# Altium PCB NGIStepDownPCB.PcbDoc (part 1 of 2)
Units mm, origin at the board's own origin, x right, y up, seen from the top; angles counter-clockwise.
Board outline 160 x 100 mm, 2 copper layers (Top Layer, Bottom Layer); 156 components, 77 nets, 437 pads, 449 vias.
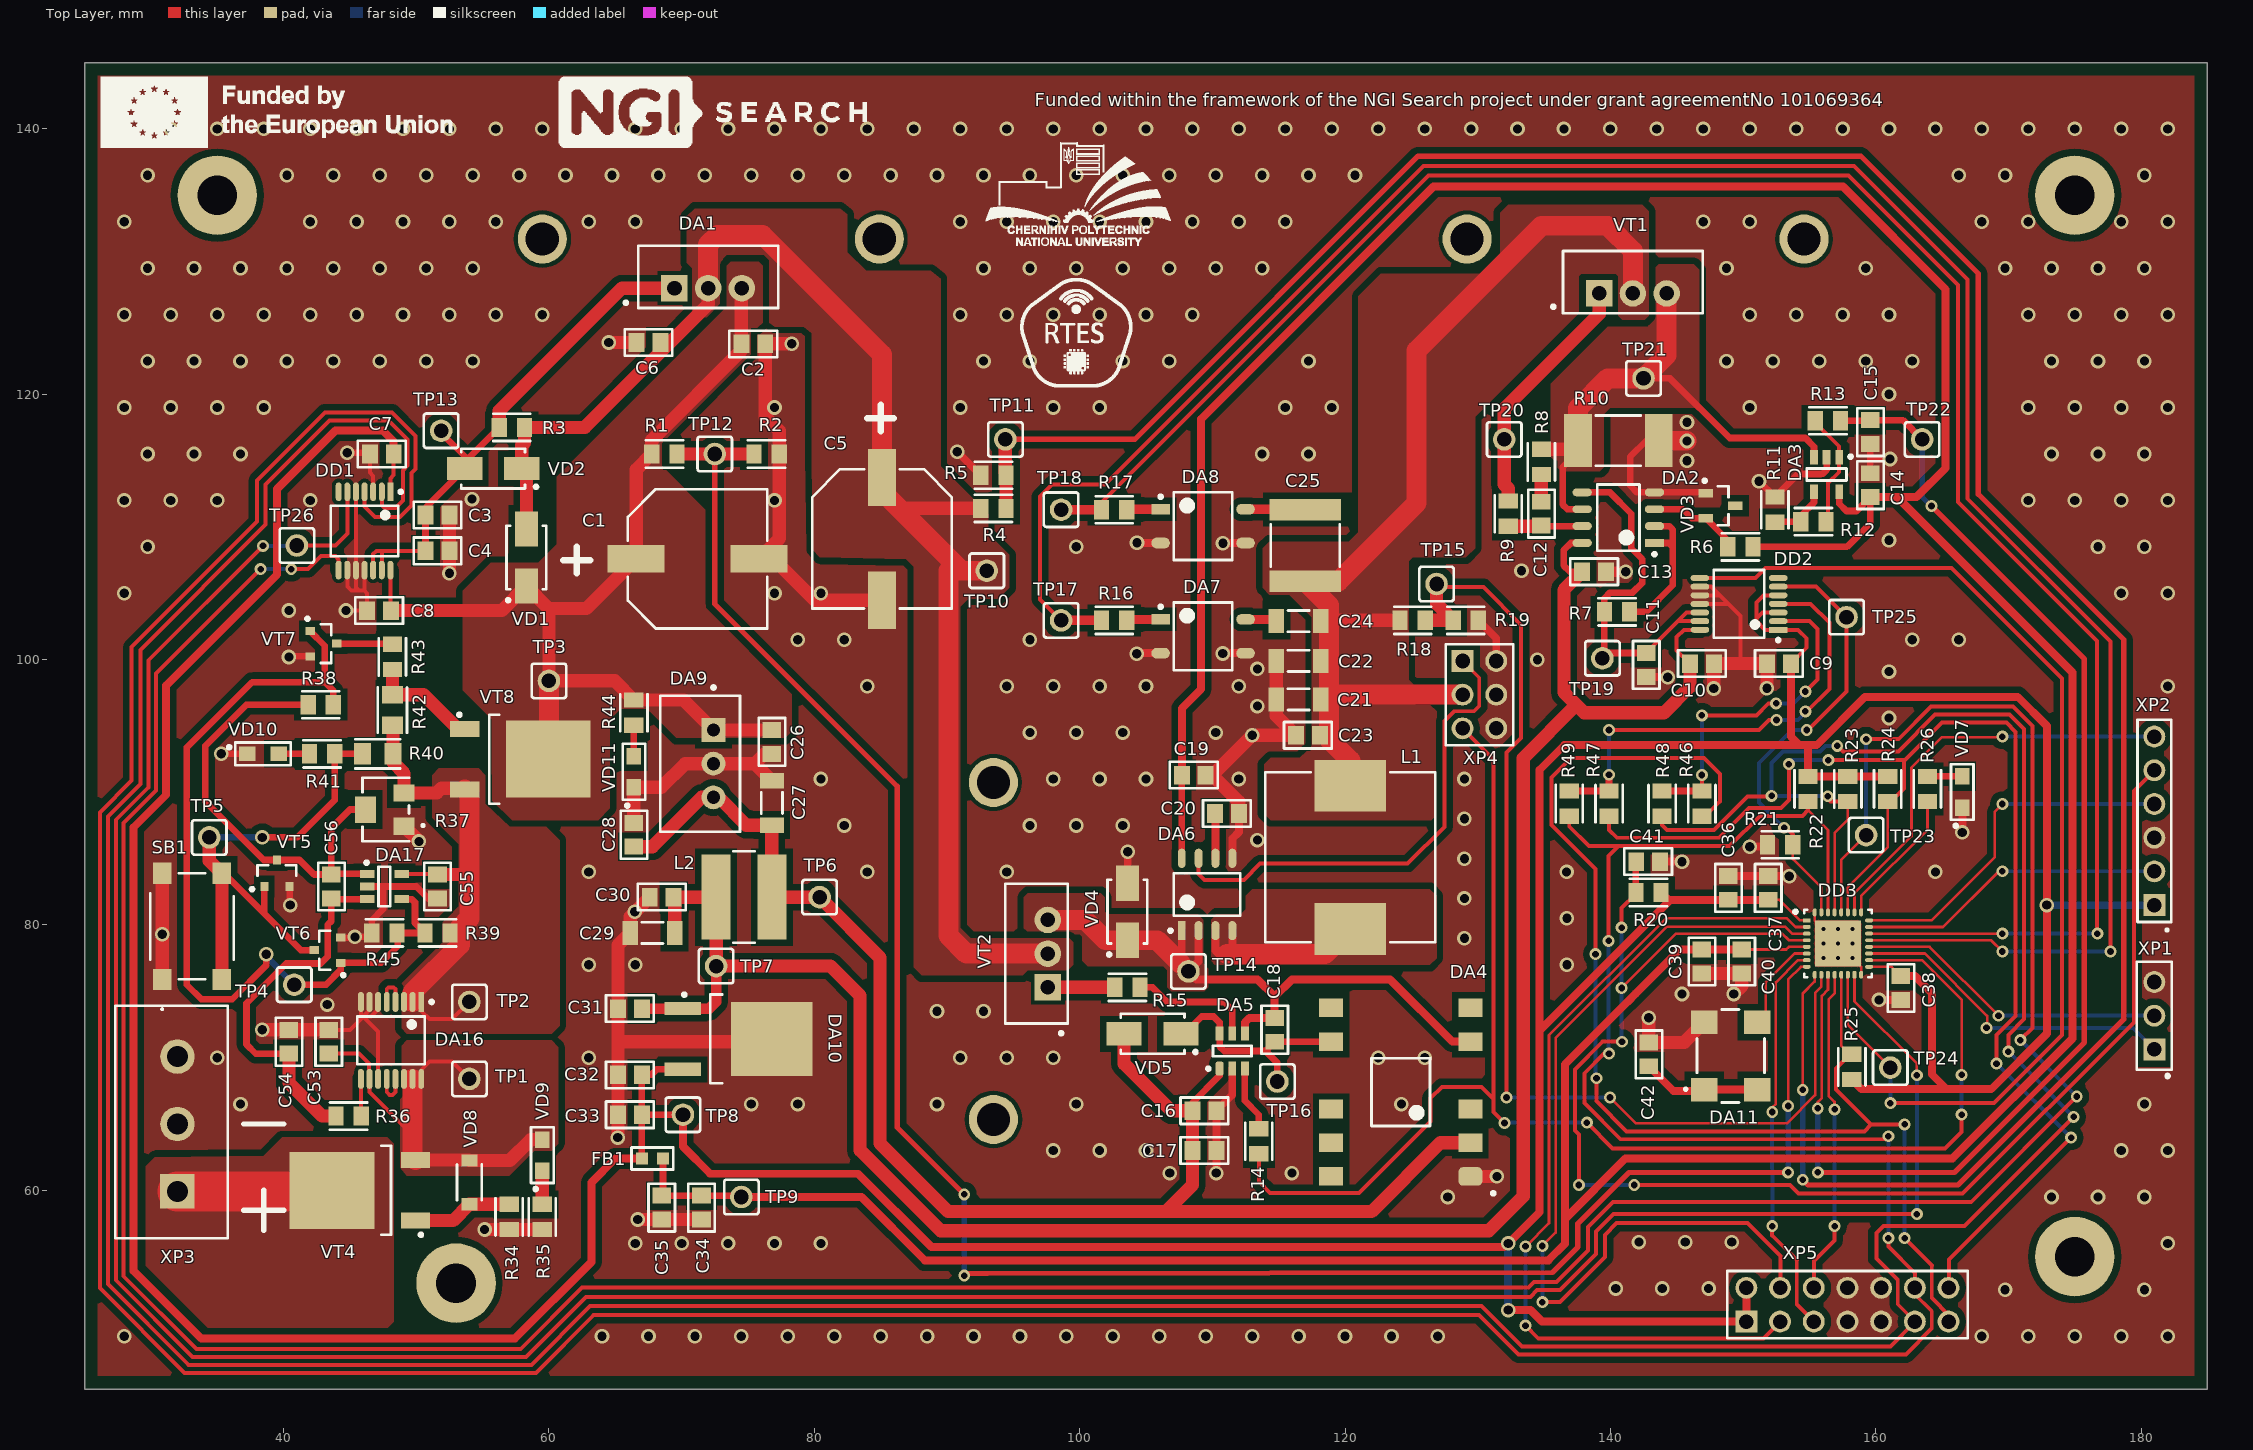
[diagram p0: Top Layer view]
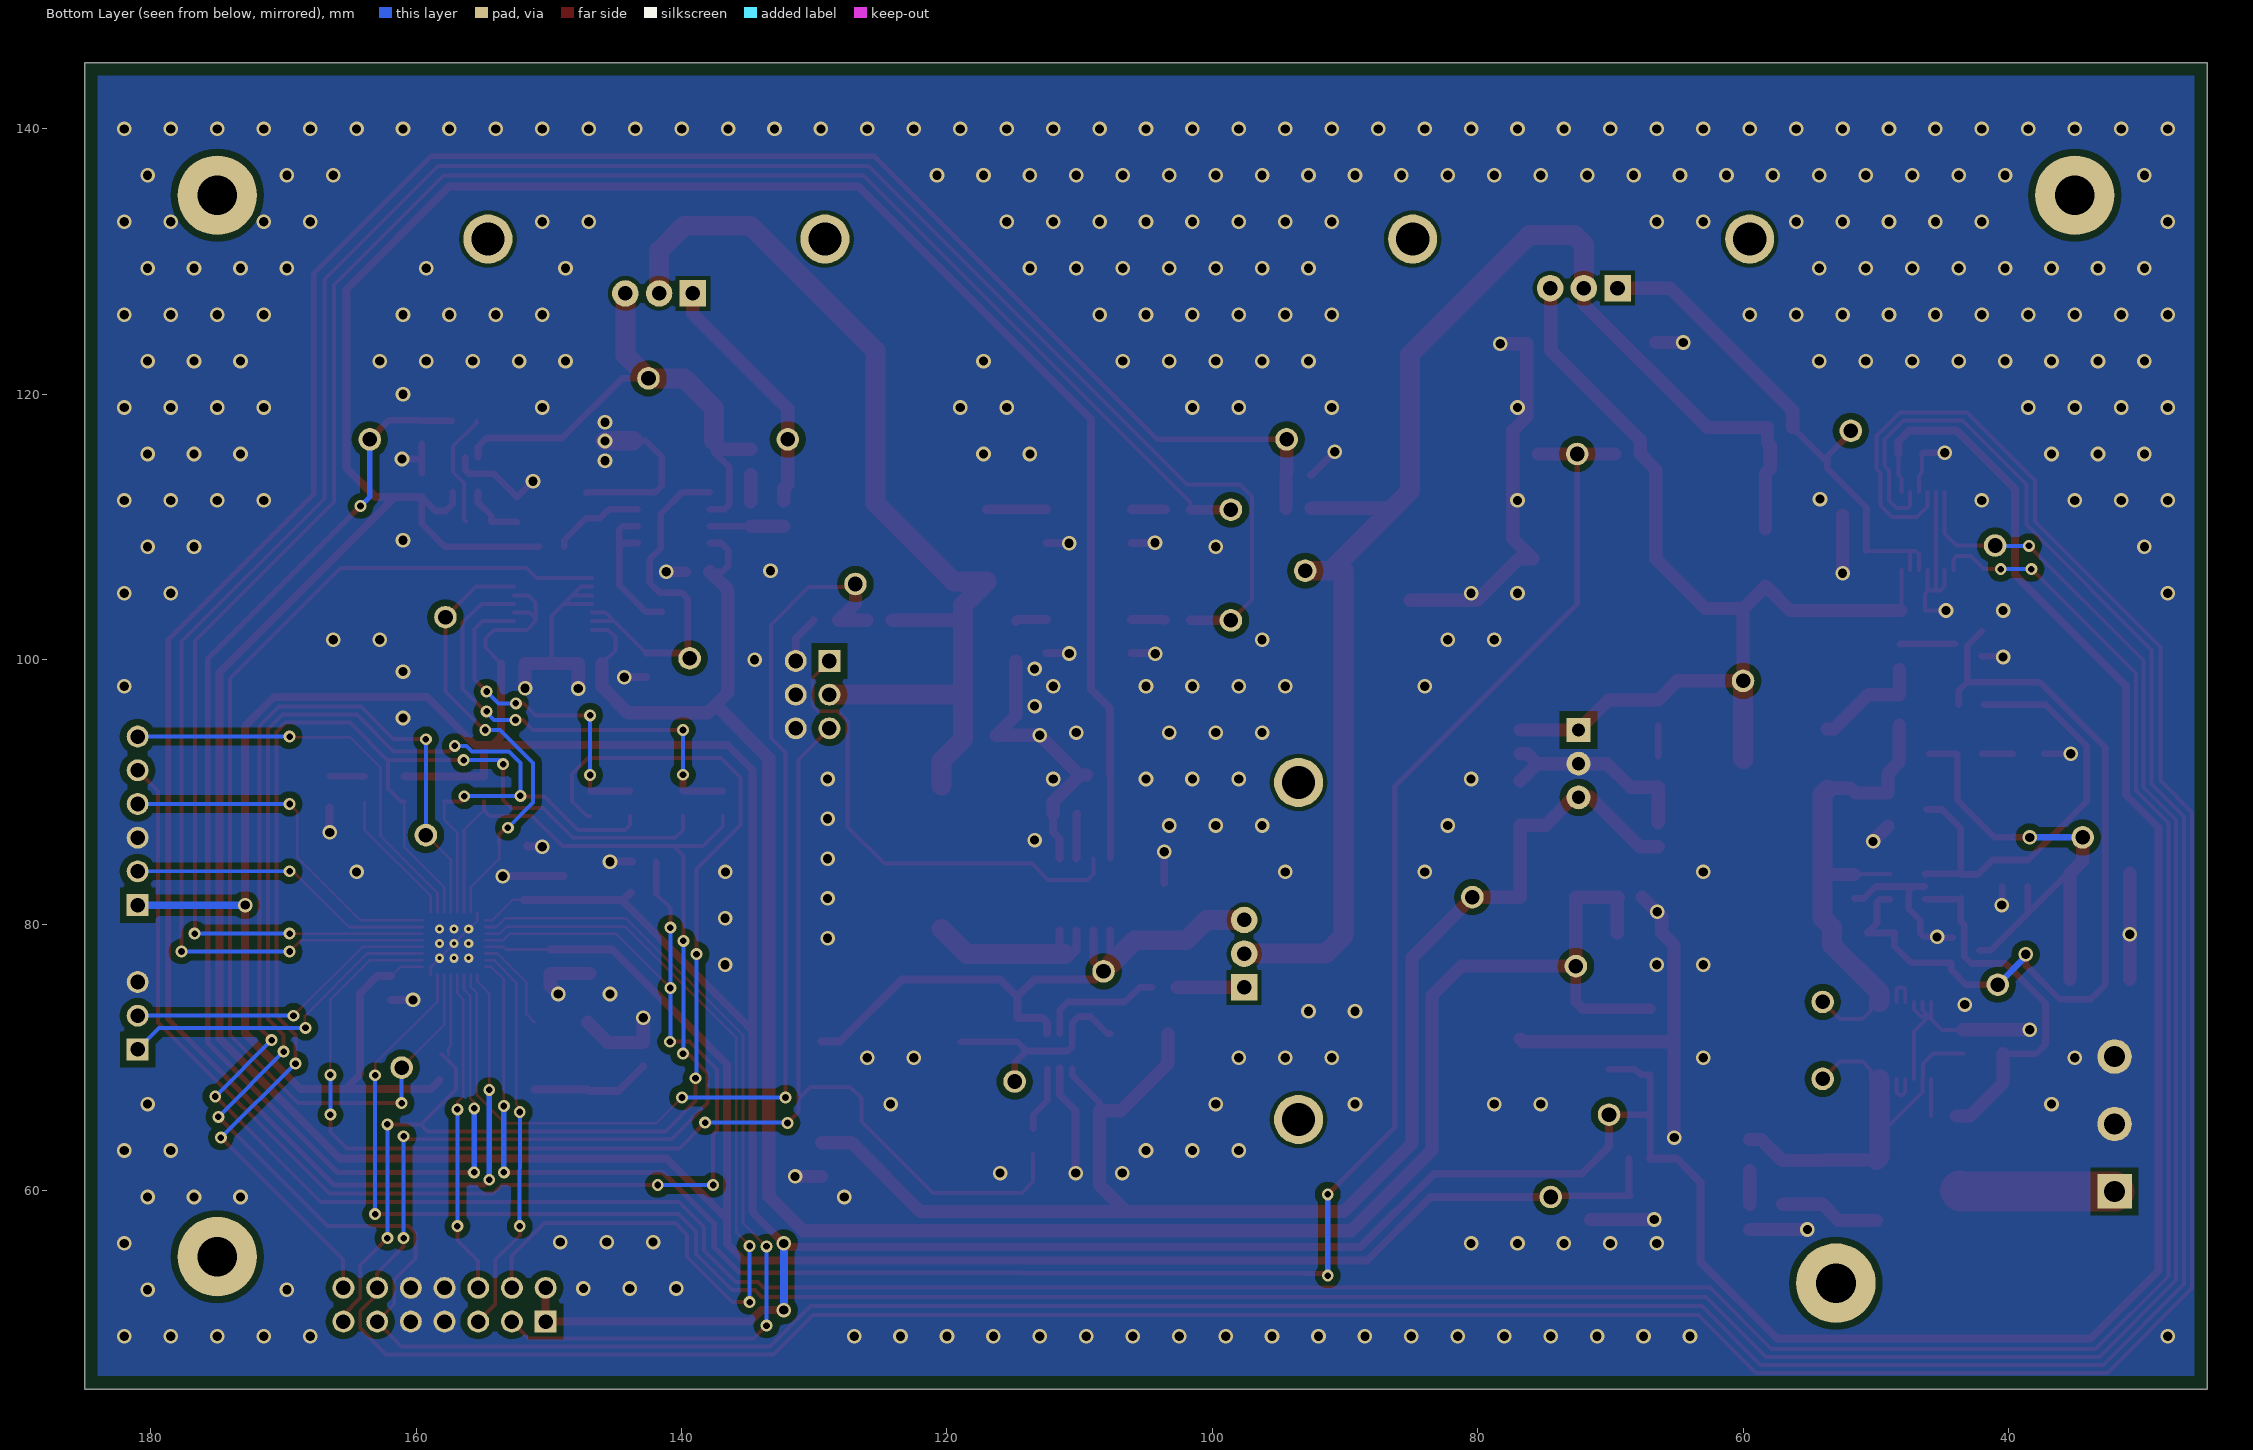
[diagram p1: Bottom Layer view, seen from below]
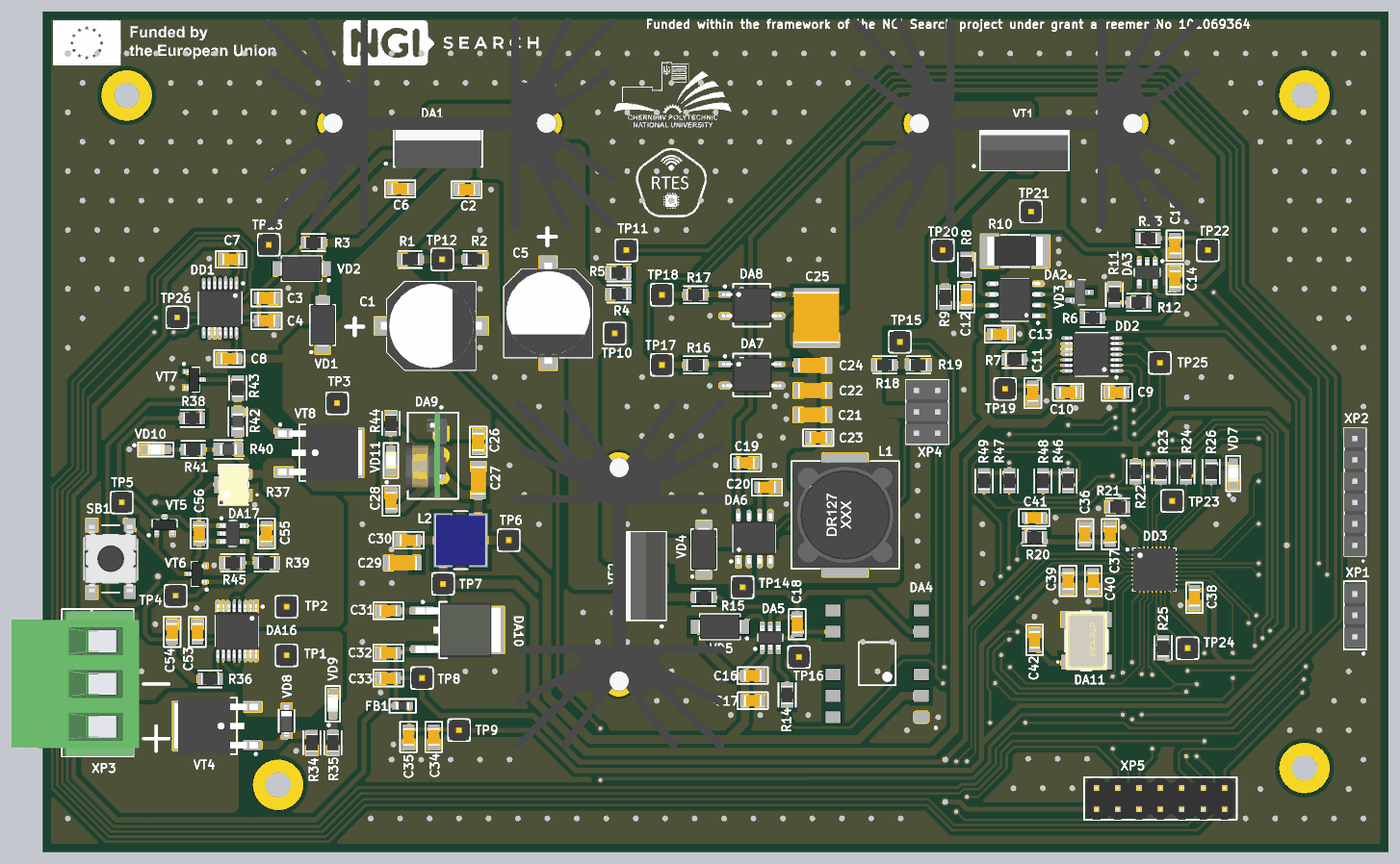
[diagram p3: 3D render of the assembled board from above, using the file's embedded part models]

## Layer stack, top to bottom
Top Solder: solder mask 0.0102, Solder Resist, Dk 3.5
Top Layer: signal copper 0.0356
Dielectric 1: dielectric 0.32, FR-4, Dk 4.8
Bottom Layer: signal copper 0.0356
Bottom Solder: solder mask 0.0102, Solder Resist, Dk 3.5

## Board outline
25,45 25,145 185,145 185,45

## Design rules (kind name [scope] priority, off if disabled: settings)
BoardOutlineClearance [All] p1: gap=1 ignorepadtopadclearanceinfootprint=FALSE
Clearance Clearance_UFQFN [All vs HasFootprint('UFQFPN-32')] p1: gap=0.3 ignorepadtopadclearanceinfootprint=TRUE except(0: Arc-Hole Track-Hole SMDPad-Hole THPad-Hole Via-Hole Fill-Hole Poly-Hole Region-Hole Text-Hole; 0.2: Arc-Arc Arc-Track Arc-SMDPad Arc-Fill Arc-Poly Arc-Region Track-Track Track-SMDPad Track-Fill Track-Poly Track-Region SMDPad-SMDPad SMDPad-Fill SMDPad-Poly SMDPad-Region)
Clearance Clearance_TSSOP [All vs (HasFootprint('TSSOP-16') OR HasFootprint('TSOP-14'))] p2: gap=0.3 ignorepadtopadclearanceinfootprint=TRUE except(0: Arc-Hole Track-Hole SMDPad-Hole THPad-Hole Via-Hole Fill-Hole Poly-Hole Region-Hole Text-Hole; 0.25: Arc-Arc Arc-Track Arc-SMDPad Arc-Fill Arc-Poly Arc-Region Track-Track Track-SMDPad Track-Fill Track-Poly Track-Region)
Clearance Clearance_TO220 [(HasFootprint('IRFZ24NPBF TO-220 with HS FA-T220-64E') OR HasFootprint('LM338T TO-220 with HS FA-T220-64E'))] p3: gap=0.3 ignorepadtopadclearanceinfootprint=TRUE except(0: Arc-Hole Track-Hole SMDPad-Hole THPad-Hole Via-Hole Fill-Hole Poly-Hole Region-Hole Text-Hole; 0.5: Arc-Fill Arc-Poly Arc-Region Track-Fill Track-Poly Track-Region SMDPad-Fill SMDPad-Poly SMDPad-Region Via-Fill Via-Poly Via-Region Fill-Fill Fill-Poly Fill-Region Poly-Poly Poly-Region Region-Region)
Clearance [All] p4: gap=0.3 ignorepadtopadclearanceinfootprint=TRUE except(0: Arc-Hole Track-Hole SMDPad-Hole THPad-Hole Via-Hole Fill-Hole Poly-Hole Region-Hole Text-Hole; 0.5: Arc-Fill Arc-Poly Arc-Region Track-Fill Track-Poly Track-Region SMDPad-Fill SMDPad-Poly SMDPad-Region THPad-Fill THPad-Poly THPad-Region Via-Fill Via-Poly Via-Region Fill-Fill Fill-Poly Fill-Region Poly-Poly Poly-Region Region-Region)
ComponentClearance [All] p1: gap=0.3 collisioncheckmode=3 verticalgap=0.3 showdistances=FALSE
Height [All] p1: minheight=0 maxheight=100 prefheight=12.7
HoleSize [All] p1: absolutevalues=TRUE maxlimit=5 minlimit=0.3 maxpercent=80.000 minpercent=20.000
HoleToHoleClearance [All] p1: gap=0.6 allowstackedmicrovias=TRUE
MinimumSolderMaskSliver MinimumSolderMaskSliver_UFQFPN [HasFootprint('UFQFPN-32') vs HasFootprint('UFQFPN-32')] p1: minsoldermaskwidth=0.025
MinimumSolderMaskSliver [All] p2: minsoldermaskwidth=0.1
PlaneConnect [All] p1: pad.planeconnectstyle=Relief pad.reliefexpansion=0.6 pad.reliefentries=4 pad.reliefconductorwidth=0.3 pad.reliefairgap=0.3 via.planeconnectstyle=Direct via.reliefexpansion=0.508 via.reliefentries=4 via.reliefconductorwidth=0.254 via.reliefairgap=0.254
PolygonConnect PolygonConnect_1 [All] p1: connectstyle=Direct reliefconductorwidth=0.3 reliefentries=4 polygonreliefangle="45 Angle" airgapwidth=0.3
PolygonConnect [All] p2: thpad.connectstyle=Relief thpad.reliefconductorwidth=0.3 thpad.reliefentries=4 thpad.polygonreliefangle="45 Angle" thpad.airgapwidth=0.3 smdpad.connectstyle=Relief smdpad.reliefconductorwidth=0.3 smdpad.reliefentries=4 smdpad.polygonreliefangle="45 Angle" smdpad.airgapwidth=0.3 via.connectstyle=Direct via.reliefconductorwidth=0.254 via.reliefentries=4 via.polygonreliefangle="90 Angle" via.airgapwidth=0.254
RoomDefinition "Step-Down Converter" [InComponentClass('Step-Down Converter')] p1: confinementstyle=ConfineIn formatcopy=TRUE lockcomponents=FALSE outline 80.669,56.94 80.669,99.14 96.9,99.14 96.9,104.66 96.9,113 104.675,113 104.675,113.01 113.925,113.01 113.925,112.575 120.275,112.575 120.275,107.4 128.6,107.4 128.6,104.235 131.075,104.235 131.075,75.925 131.725,75.925 131.725,58.875 106.4,58.875 106.4,56.94
RoomDefinition "Regulate load" [InComponentClass('Regulate load')] p2: confinementstyle=ConfineIn formatcopy=TRUE lockcomponents=FALSE outline 120.8,118.8 120.8,144.531 163,144.531 163,118.3 165.2,118.3 165.2,114.9 161,114.9 161,110.95 159.5,110.95 159.5,101.5 154.9,101.5 154.9,98.3 144.1,98.3 144.1,97.4 141.3,97.4 141.3,98.4 137.7,98.4 137.7,105.225 136.575,105.225 136.575,108.8 133.4,108.8 133.4,109.025 131.025,109.025 131.025,114.9 130.3,114.9 130.3,118.8
RoomDefinition "Regulated voltage input source" [InComponentClass('Regulated voltage input source')] p3: confinementstyle=ConfineIn formatcopy=TRUE lockcomponents=FALSE outline 39.3,106.9 39.3,110.3 42.975,110.3 42.975,113.9 45.2,113.9 45.2,116.9 49.4,116.9 49.4,118.7 51.1,118.7 51.1,144.566 93.3,144.566 93.3,118.3 96.1,118.3 96.1,114.9 95.475,114.9 95.475,112.625 95.475,110.125 94.7,110.125 94.7,105 91.175,105 91.175,101.475 79.025,101.475 79.025,101.525 60.55,101.525 60.55,102.3 45,102.3 45,105.5 42.975,105.5 42.975,106.9
RoomDefinition Power [InComponentClass('Power')] p4: confinementstyle=ConfineIn formatcopy=TRUE lockcomponents=FALSE outline 63.9,64.3 63.9,75.1 65,75.1 65,89 67.05,89 67.05,98.64 75.75,98.64 75.75,96 78.2,96 78.2,91.852 78.275,91.852 78.275,85.95 78.875,85.95 78.875,83.8 82.1,83.8 82.1,80.4 80.425,80.4 80.425,67.485 76.2,67.485 76.2,57.8 72.9,57.8 72.9,56.5 67.1,56.5 67.1,61.15 65.8,61.15 65.8,64.3
RoomDefinition "Polarity reversal and Short circuit protection" [InComponentClass('Polarity reversal and Short circuit protection')] p5: confinementstyle=ConfineIn formatcopy=TRUE lockcomponents=FALSE outline 28.6,72.25 28.6,86.05 31.5,86.05 31.5,88.3 35.35,88.3 35.35,94.375 40.775,94.375 40.775,103.63 45.225,103.63 45.225,102.175 49.475,102.175 49.475,100.1 61.7,100.1 61.7,97.975 67.675,97.975 67.675,94.05 67.875,94.05 67.875,88.45 60.975,88.45 60.975,59.55 60.775,59.55 60.775,56.025 55.725,56.025 55.725,56.1 39.825,56.1 39.825,69 39,69 39,72.25
RoomDefinition NGI_Search_StepDown_lab [InComponentClass('NGI_Search_StepDown_lab')] p6: confinementstyle=ConfineIn formatcopy=TRUE lockcomponents=FALSE outline 21.05,55.805 21.05,74.495 21.05,101.745 127.015,101.745 133.245,101.745 133.245,92.975 36.75,92.975 36.75,55.805
RoomDefinition MCU [InComponentClass('MCU')] p7: confinementstyle=ConfineIn formatcopy=TRUE lockcomponents=FALSE outline 134.2,80.6 134.2,84 135.625,84 135.625,92.225 153.625,92.225 162.425,92.225 162.425,98.4 165.375,98.4 165.375,96.045 182.845,96.045 182.845,77.795 182.895,77.795 182.895,68.07 165,68.07 165,48.255 150.8,48.255 150.8,65.235 144.425,65.235 144.425,68.05 141.5,68.05 141.5,78.975 140.925,78.975 140.925,80.6
RoutingVias [All] p1: holewidth=0.5 width=0.9 viastyle="Through Hole" minholewidth=0.3 minwidth=0.7 maxholewidth=0.7 maxwidth=1.1
SilkToSilkClearance [All] p1: silktosilkclearance=0.1
SilkToSolderMaskClearance [IsPad] p1: minsilkscreentomaskgap=0.2 clearancetoexposedcopper=TRUE
SolderMaskExpansion [All] p1: expansion=0.102
Width [All] p1: maxlimit=3 minlimit=0.2 preferedwidth=0.4
22 further rules are at their usual default settings.

## Classes and differential pairs
component class MCU: C36 C37 C38 C39 C40 C41 C42 DA11 DD3 R20 R21 R22 R23 R24 R25 R26 R46 R47 R48 R49 TP23 TP24 VD7 XP1 XP2 XP5
component class NGI_Search_StepDown_lab: XP3 XP4
component class "Polarity reversal and Short circuit protection": C53 C54 C55 C56 DA16 DA17 R34 R35 R36 R37 R38 R39 R40 R41 R42 R43 R44 R45 SB1 TP1 TP2 TP3 TP4 TP5 VD8 VD9 VD10 VD11 VT4 VT5 VT6 VT7 VT8
component class Power: C26 C27 C28 C29 C30 C31 C32 C33 C34 C35 DA9 DA10 FB1 L2 TP6 TP7 TP8 TP9
component class "Regulated voltage input source": C1 C2 C3 C4 C5 C6 C7 C8 DA1 DD1 R1 R2 R3 R4 R5 TP10 TP11 TP12 TP13 TP26 VD1 VD2
component class "Regulate load": C9 C10 C11 C12 C13 C14 C15 DA2 DA3 DD2 R6 R7 R8 R9 R10 R11 R12 R13 TP19 TP20 TP21 TP22 TP25 VD3 VT1
component class "Step-Down Converter": C16 C17 C18 C19 C20 C21 C22 C23 C24 C25 DA4 DA5 DA6 DA7 DA8 L1 R14 R15 R16 R17 R18 R19 TP14 TP15 TP16 TP17 TP18 VD4 VD5 VT2

## Components (designator, comment, footprint, x,y, rotation, side; value= is the part's Value field where it differs from the comment)
C1 "EEH-ZA1V101P" EEH-ZA1V101P 71.2,107.6 r0 top value="100 uF"
C2 "CL21B104KBCNNWC" Capacitor0805_THICKNESS0.8 75.4,123.8 r0 top value="0.1 uF"
C3 "GRM21BR6YA106KE43K" Capacitor0805_THICKNESS1.45 51.6,110.9 r180 top value="10 uF"
C4 "CL21B104KBCNNWC" Capacitor0805_THICKNESS0.8 51.6,108.2 r180 top value="0.1 uF"
C5 "EEH-ZA1V101P" EEH-ZA1V101P 85.1,109.1 r270 top value="100 uF"
C6 "CL21B104KBCNNWC" Capacitor0805_THICKNESS0.8 67.5,123.9 r0 top value="0.1 uF"
C7 "CL21B104KBCNNWC" Capacitor0805_THICKNESS0.8 47.4,115.5 r0 top value="0.1 uF"
C8 "CL21B104KBCNNWC" Capacitor0805_THICKNESS0.8 47.2,103.7 r0 top value="0.1 uF"
C9 "CL21B104KBCNNWC" Capacitor0805_THICKNESS0.8 152.7,99.7 r0 top value="0.1 uF"
C10 "CL21B104KBCNNWC" Capacitor0805_THICKNESS0.8 146.9,99.7 r180 top value="0.1 uF"
C11 "CL21B103KBANNNL" Capacitor0805_THICKNESS0.8 142.7,99.6 r90 top value="0.01 uF"
C12 "CL21B223KBANNND" Capacitor0805_THICKNESS0.8 134.8,111 r270 top value="0.022 uF"
C13 "CL21B104KBCNNWC" Capacitor0805_THICKNESS0.8 138.775,106.625 r180 top value="0.1 uF"
C14 "CL21B104KBCNNWC" Capacitor0805_THICKNESS0.8 159.6,113.15 r270 top value="0.1 uF"
C15 "C0805C333K5RAC" Capacitor0805_THICKNESS0.8 159.6,117.15 r90 top value="0.033 uF"
C16 "CL21B104KBCNNWC" Capacitor0805_THICKNESS0.8 109.4,66 r180 top value="0.1 uF"
C17 "CL21B105KAFNFNE" Capacitor0805_THICKNESS1.25 109.4,63 r0 top value="1 uF"
C18 "CL21B105KAFNFNE" Capacitor0805_THICKNESS1.25 114.7,72.1 r270 top value="1 uF"
C19 "CL21B105KAFNFNE" Capacitor0805_THICKNESS1.25 108.6,91.3 r180 top value="1 uF"
C20 "CC0805CRNPO9BN5R0" Capacitor0805_THICKNESS0.6 111.1,88.4 r180 top value="5 pF"
C21 "C3216X5R1V226M160AC" Capacitor1206_THICKNESS1.6 116.5,97 r0 top value="22 uF"
C22 "C3216X5R1V226M160AC" Capacitor1206_THICKNESS1.6 116.5,99.9 r0 top value="22 uF"
C23 "CL21B104KBCNNWC" Capacitor0805_THICKNESS0.8 117.2,94.3 r0 top value="0.1 uF"
C24 "C3216X5R1V226M160AC" Capacitor1206_THICKNESS1.6 116.5,102.9 r0 top value="22 uF"
C25 "C5750X7R1V476M230KC" Capacitor2220_THICKNESS3.1 117,108.6 r270 top value=47uF
C26 "GRM21BR6YA106KE43K" Capacitor0805_THICKNESS1.45 76.8,93.8 r90 top value="10 uF"
C27 "C3216X5R1V226M160AC" Capacitor1206_THICKNESS1.6 76.8,89.2 r270 top value="22 uF"
C28 "CL21B104KBCNNWC" Capacitor0805_THICKNESS0.8 66.4,86.8 r270 top value="0.1 uF"
C29 "C3216X5R1V226M160AC" Capacitor1206_THICKNESS1.6 67.8,79.4 r0 top value="22 uF"
C30 "CL21B104KBCNNWC" Capacitor0805_THICKNESS0.8 68.5,82.1 r0 top value="0.1 uF"
C31 "CC0805KKX7R8BB334" Capacitor0805_THICKNESS1.25 66.1,73.7 r0 top value=0.33uF
C32 "CL21B104KBCNNWC" Capacitor0805_THICKNESS0.8 66.1,68.7 r0 top value="0.1 uF"
C33 "GRM21BR61A476ME15K" Capacitor0805_THICKNESS1.25 66.1,65.7 r0 top value="47 uF"
C34 "CL21A475KAQNNNF" Capacitor0805_THICKNESS1.25 71.5,58.7 r90 top value="4.7 uF"
C35 "CL21B104KBCNNWC" Capacitor0805_THICKNESS0.8 68.5,58.7 r90 top value="0.1 uF"
C36 "CL21A475KAQNNNF" Capacitor0805_THICKNESS1.25 148.9,82.8 r270 top value="4.7 uF"
C37 "CL21B104KBCNNWC" Capacitor0805_THICKNESS0.8 151.9,82.8 r270 top value="0.1 uF"
C38 "CL21B104KBCNNWC" Capacitor0805_THICKNESS0.8 161.9,75.25 r90 top value="0.1 uF"
C39 "CL21B105KAFNFNE" Capacitor0805_THICKNESS1.25 146.9,77.25 r90 top value="1 uF"
C40 "CL21B103KBANNNL" Capacitor0805_THICKNESS0.8 149.9,77.25 r90 top value="0.01 uF"
C41 "CL21B104KBCNNWC" Capacitor0805_THICKNESS0.8 142.85,84.775 r180 top value="0.1 uF"
C42 "CL21B103KBANNNL" Capacitor0805_THICKNESS0.8 142.9,70.25 r270 top value="0.01 uF"
C53 "CL21B104KBCNNWC" Capacitor0805_THICKNESS0.8 43.4,71.2 r270 top value="0.1 uF"
C54 "CC0805JRNPO9BN681" Capacitor0805_THICKNESS0.6 40.4,71.2 r270 top value=680pF
C55 "CL21B104KBCNNWC" Capacitor0805_THICKNESS0.8 51.6,82.9 r90 top value="0.1 uF"
C56 "CC0805JRNPO9BN100" Capacitor0805_THICKNESS0.6 43.6,82.9 r90 top value="10 pF"
DA1 "LM338T" "LM338T TO-220 with HS FA-T220-64E" 72,128 r0 top
DA2 "LM258DRG4" SOIC-8 140.6,110.7 r180 top
DA3 "AD8601WDRTZ-REEL" "SOT-23 5pin" 156.3,113.95 r270 top
DA4 "SFTN02M-12N" SFTN02-N 124.2,67.4 r180 top
DA5 "IRS10752LTRPBF" "SOT23 6pin" 111.5,70.5 r90 top
DA6 "CT426-HSN820DR" SOIC-8 109.6,82.3 r90 top